# Altium PCB DC-DC_Conv.PcbDoc (part 2 of 3)
Units mm, origin at the board's own origin, x right, y up, seen from the top; angles counter-clockwise.
Board outline 250.1 x 400.1 mm, 4 copper layers (Top Layer 1, Top Layer, Bottom Layer, Bottom Layer 1), stack 0.603 mm thick; 353 components, 158 nets, 950 pads, 1314 vias.
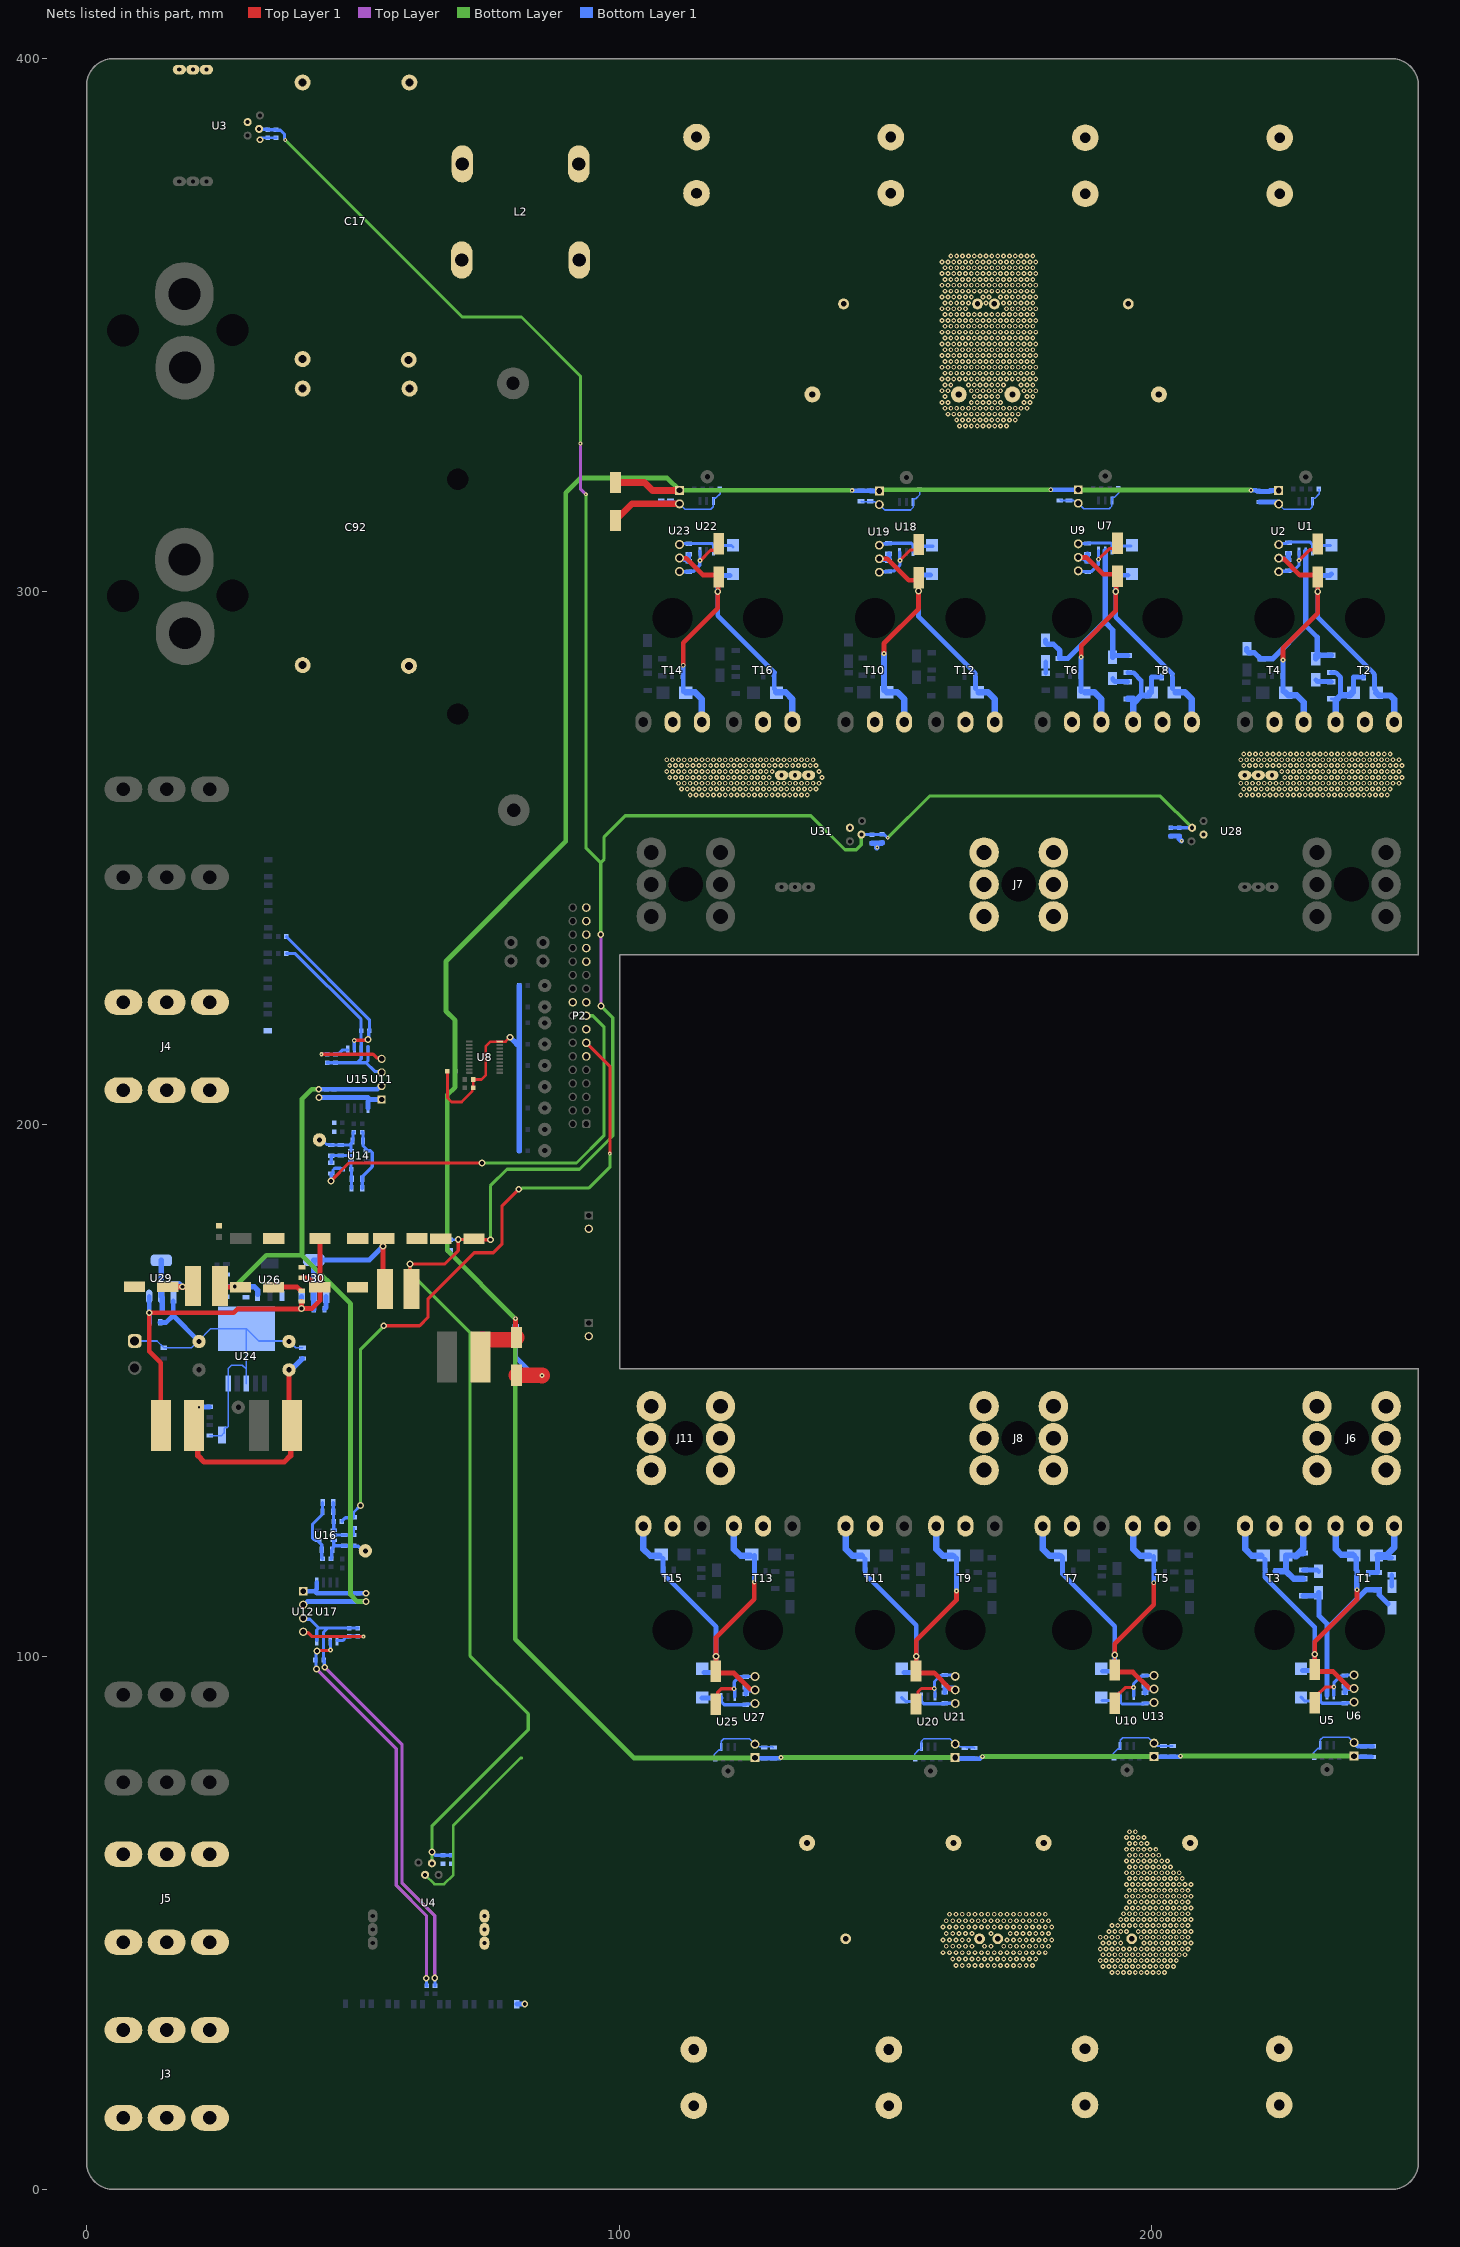
[diagram p4: the nets of this part, all layers, seen from the top]

## Via types
v1: diameter 0.9, hole 0.4, Top Layer 1 to Bottom Layer 1, 1203 vias
v2: diameter 1.27, hole 0.711, Top Layer 1 to Bottom Layer 1, tented both sides, 45 vias
v3: diameter 0.9, hole 0.4, Top Layer 1 to Bottom Layer 1, tented both sides, 41 vias
v4: diameter 0.7, hole 0.3, Top Layer 1 to Bottom Layer 1, tented both sides, 23 vias
v5: diameter 0.8, hole 0.3, Top Layer 1 to Bottom Layer 1, tented both sides, 2 vias

## Nets (pads, with @x,y where several pads share a name; then routed paths per layer and width w, separated by ;. In a path a pad name is that pad's centre, name@x,y a point inside that pad or via, vN(x,y) a via of type N, cw(c..) or ccw(c..) an arc to the next point about the centre after c; other vN are vias at no path point) (continued)
+5: C88.2 U26.3 | length 3.3
  Bottom Layer 1 w1: C88.2@29.9,169.475 31.45,169.475 32.075,168.85 U26.3@32.075,168.022
+5V: C33.2 C36.2 C38.2 C39.2 C98.2 C100.1 L7.2 U11.2 U12.2 | length 148
  Top Layer 1 w0.9: L7.2@24.979,169.549 25.153,169.375 27.7,169.375 v2(27.8,169.475)
  Bottom Layer w0.9: v2(27.8,169.475) 33.7,175.375 40.4,175.375 ; v2(43.56,206.551) 42.276,206.551 40.4,204.675 40.4,175.375 ; v2(52.44,110.332) 50.793,110.332 49.525,111.6 49.525,166.25 40.4,175.375
  Bottom Layer 1 w0.9: C98.2@26.2,169.55 27.725,169.55 v2(27.8,169.475) ; U12.2@40.64,109.727 40.815,109.727 41.42,110.332 C36.2@49.568,110.332 C39.2@50.965,110.332 52.415,110.332 52.44,110.307 v2(52.44,110.332) ; v2(43.56,206.551) 43.56,206.576 43.585,206.551 C38.2@45.035,206.551 C33.2@46.432,206.551 54.579,206.551 55.184,207.156 U11.2@55.36,207.156
+5V_1: C95.2 C96.2 C104.1 C105.2 C111.2 C112.2 C118.2 C119.2 C120.2 C121.2 L8.2 U3.4 U4.4 U28.4 U31.4 | length 552.7
  Top Layer 1 w0.6: L8.2@60.975,169 60.675,169.3 v2(60.675,173.725) 67.25,173.725 69.75,176.225 v2(69.75,178.3) 72.523,178.3 C104.1@72.698,178.475 72.901,178.272 v2(75.785,178.272) ; U4.4@64.81,61.181 U4.4@64.987,61.358
  Top Layer w0.6: v4(92.7,327.8) 92.7,319.3 v4(93.725,318.275) ; v2(96.5,235.6) 96.538,235.563 96.538,222.188 v2(96.575,222.15)
  Bottom Layer w0.6: v4(37.25,384.775) 70.475,351.55 81.625,351.55 92.7,340.475 v4(92.7,327.8) ; v2(60.675,173.725) 60.675,172.175 71.95,160.9 71.95,100.175 82.9,89.225 82.9,86.25 64.8,68.15 v2(64.8,63.3) ; U4.4@64.81,61.181 v2@64.81,63.3 ; v2(75.785,178.272) 75.785,188.385 78.9,191.5 92.525,191.5 98.775,197.75 98.775,219.95 v2(96.575,222.15) ; v4(93.725,318.275) 93.725,251.875 96.5,249.1 ; v2(96.5,235.6) 96.5,249.1 ; U31.4@145.446,254.365 145.446,252.421 144.525,251.5 142.375,251.5 135.975,257.9 101.125,257.9 97.15,253.925 97.15,249.75 96.5,249.1 ; v4(150.413,253.738) 158.25,261.575 201.614,261.575 U28.4@207.554,255.635
  Bottom Layer 1 w0.5: C105.2@68.125,178.275 68.137,178.287 69.738,178.287 v2(69.75,178.3)
  Bottom Layer 1 w0.6: U3.4@32.371,386.865 32.441,386.795 33.93,386.795 C96.2@34,386.725 C95.2@35.525,386.725 35.624,386.626 36.374,386.626 37.122,385.878 37.122,384.903 v4(37.25,384.775) ; v2(64.8,63.3) 65.425,62.675 C111.2@66.9,62.675 C112.2@68.45,62.675 ; U31.4@145.446,254.365 149.785,254.365 v4(150.413,253.738) ; C121.2@203.55,255.625 C120.2@205.15,255.625 207.544,255.625 U28.4@207.554,255.635
+8VDC: C80.2 C97.1 C102.2 C103.1 C108.2 L5.2 U29.3 U30.3 | length 79.5
  Top Layer 1 w0.9: L5.2@13.893,143.387 13.893,155.144 11.725,157.312 v2(11.725,164.55) 27.575,164.55 28.315,165.29 v2@40.24,165.29 ; v2(40.325,165.375) 42.325,165.375 43.775,166.825 43.775,169.325 C103.1@43.75,169.35 ; v2@40.338,165.388 40.338,166.662 C108.2@40.35,166.675 ; C102.2@40.425,171.125 41.575,171.125 42.2,170.5 42.2,169.9 42.75,169.35 C103.1@43.75,169.35 ; C97.1@43.8,178.5 43.8,169.4 C103.1@43.75,169.35
  Bottom Layer 1 w0.9: U29.3@11.71,167.605 11.71,164.565 v2(11.725,164.55) 11.775,164.5 C80.2@11.775,162.75 ; v2(40.325,165.375) 40.338,165.388 40.338,167.663 U30.3@40.35,167.675
+12: C4.2 C12.1 C21.2 C23.2 C27.2 C29.1 C43.2 C47.1 C61.2 C63.1 C67.2 C69.1 C73.2 C76.1 C84.2 C87.1 C109.1 C110.2 C117.1 L1.2 U2.1 U6.1 U9.1 U13.1 U19.1 U21.1 U23.1 U27.1 | length 566.5
  Top Layer 1 w0.9: v3(80.5,163.45) 80.5,160.125 C109.1@80.7,159.925 C109.1@80.675,159.9
  Top Layer 1 w1.3: C117.1@99.275,320.45 104.738,320.45 106.195,318.993 U23.1@111.308,318.993
  Top Layer 1 w2.9: L1.2@74.275,159.5 C109.1@80.275,159.5
  Top Layer 1 w3: L1.2@73.9,159.125 L1.2@74.275,159.5 ; C109.1@80.275,159.5 C109.1@80.675,159.9
  Bottom Layer w0.9: v3@80.45,163.45 80.45,103.274 102.749,80.975 125.438,80.975 U27.1@125.476,81.013 ; v3(80.5,163.45) 67.675,176.275 67.675,205.475 69.15,206.95 69.15,219.5 67.45,221.2 67.45,230.575 89.95,253.075 89.95,318.55 92.7,321.3 109.001,321.3 U23.1@111.308,318.993 111.315,319 v3(143.725,319) ; v3(130.35,81.025) 130.35,81.05 130.358,81.042 U21.1@163.068,81.042 ; U19.1@148.829,318.859 149.07,319.1 v3(181.025,319.1) ; v3(168.2,81.2) 168.207,81.207 U13.1@200.399,81.207 ; U9.1@186.172,319.111 186.215,319.068 218.582,319.068 v3(218.625,319.025) ; v3(205.4,81.3) 205.407,81.307 U6.1@237.973,81.307
  Bottom Layer 1 w0.9: v3(80.5,163.45) 80.525,163.425 C110.2@80.525,162.05 ; C76.1@107.879,319.104 108.006,318.977 111.292,318.977 U23.1@111.308,318.993 ; U27.1@125.476,81.013 125.564,80.925 C84.2@127.225,80.925 C87.1@128.95,80.925 130.15,80.925 130.25,81.025 v3(130.35,81.025) ; v3(143.725,319) 143.675,318.95 143.7,318.925 C63.1@145.375,318.925 147.075,318.925 C61.2@147.1,318.95 147.191,318.859 U19.1@148.829,318.859 ; U21.1@163.068,81.042 163.26,80.85 C69.1@164.875,80.85 166.575,80.85 C67.2@166.6,80.825 167.725,80.825 168.1,81.2 v3(168.2,81.2) ; v3(181.025,319.1) 186.161,319.1 U9.1@186.172,319.111 ; U13.1@200.399,81.207 200.406,81.2 C47.1@202.175,81.2 C43.2@203.925,81.2 205.2,81.2 205.3,81.3 v3(205.4,81.3) ; v3(218.625,319.025) 219.566,319.025 219.741,318.85 220.2,318.85 C12.1@220.25,318.8 C4.2@222.025,318.8 222.194,318.969 U2.1@223.814,318.969 ; U6.1@237.973,81.307 238.105,81.175 C21.2@239.75,81.175 C23.2@241.3,81.175
GND: C4.1 C12.2 C21.1 C23.1 C27.1 C29.2 C33.1 C36.1 C38.1 C39.1 C40.1 C41.1 C43.1 C44.1 C45.1 C47.2 C52.1 C53.1 C56.1 C57.1 C61.1 C63.2 C67.1 C69.2 C73.1 C74.2 C76.2 C77.1 C79.1 C80.1 C81.2 C84.1 C86.1 C87.2 C88.1 C89.2 C93.1 C94.1 C95.1 C96.1 C97.2 C98.1 C99.2 C100.2 C101.1 C102.1 C103.2 C104.2 C105.1 C106.2 C107.1 C108.1 C109.2 C110.1 C111.1 C112.1 C117.2 C118.1 C119.1 C120.1 C121.1 D15.2 D34.2 J10.2 J13.2 P1.1 P2.11 P2.15 P2.19 P2.20 P2.25 P2.27 P2.29 P2.31 P2.33 R14.1 R15.1 R16.1 R17.1 R18.1 R19.1 R20.1 R21.1 R22.1 R23.1 R24.1 R25.1 R26.1 R27.1 R28.1 R29.1 R30.1 R31.1 R52.1 R53.1 R77.1 U1.3 U2.2 U3.3 U4.3 U5.3 U6.2 U7.3 U8.10 U9.2 U10.3 U11.1 U12.1 U13.2 U14.2 U15.5 U16.2 U17.5 U18.3 U19.2 U20.3 U21.2 U22.3 U23.2 U24.3 U24.5 U24.6 U25.3 U26.1 U27.2 U28.3 U29.1 U30.1 U31.3 | length 373.7
  Top Layer 1 w0.5: R22.1@67.725,209.925 67.725,204.925 68.5,204.15 70.4,204.15 72.375,206.125 72.375,206.625 C93.1@72.55,206.8 C94.1@72.55,208.35 74.1,208.35 74.9,209.15 74.9,214.55 75.825,215.475 U8.10@77.55,215.475 78.625,215.475 v2(79.45,216.3)
  Top Layer 1 w0.9: C100.2@35.073,169.375 39.525,169.375 40.225,168.675 C108.1@40.35,168.675
  Top Layer 1 w1.2: C117.2@99.275,313.35 102.378,316.453 U23.2@111.308,316.453
  Top Layer 1 w3: C109.2@80.7,152.825 85.475,152.825 v3(85.5,152.8)
  Bottom Layer w0.5: U4.3@63.54,59.022 65.287,57.275 67.1,57.275 68.825,59 68.825,68.325 81.45,80.95 81.7,80.95
  Bottom Layer 1 w0.3: P1.1@8.994,159.262 P1.1@9,159.262 13.192,159.262 C77.1@14.478,157.976 19.669,157.976 20.971,159.278 23.251,161.558 U24.6@29.972,161.558 ; R77.1@23.114,141.498 23.13,141.482 23.495,141.482 23.511,141.498 25.289,141.498 D15.2@25.4,141.609 25.838,142.047 25.838,142.841 26.01,143.013 26.392,143.013 26.568,143.189 U24.5@26.568,151.253 26.568,154.08 27.178,154.69 29.21,154.69 29.972,153.928 ; U24.3@29.972,151.253 29.972,153.928 ; C79.1@40.513,157.976 39.259,157.976 37.973,159.262 32.268,159.262 U24.6@29.972,161.558 ; C76.2@107.879,317.104 108.006,316.977 110.445,316.977 110.969,316.453 U23.2@111.308,316.453 112.324,315.437 117.15,315.437 117.638,315.925 U22.3@117.638,316.941 ; U22.3@117.658,316.961 117.658,317.44 117.775,317.557 118.127,317.557 118.928,318.358 118.928,319.133 R15.1@118.814,319.247 ; R14.1@117.97,80.759 117.856,80.873 117.856,81.648 118.657,82.449 119.009,82.449 119.126,82.566 U25.3@119.126,83.045 ; U25.3@119.146,83.065 119.146,84.081 119.634,84.569 124.46,84.569 U27.2@125.476,83.553 125.815,83.553 126.339,83.029 128.778,83.029 C87.2@128.905,82.902 ; C63.2@145.4,316.97 145.527,316.843 147.966,316.843 148.49,316.319 U19.2@148.829,316.319 149.845,315.303 154.671,315.303 155.159,315.791 U18.3@155.159,316.807 ; U18.3@155.179,316.827 155.179,317.306 155.296,317.423 155.648,317.423 156.449,318.224 156.449,318.999 R17.1@156.335,319.113 ; R16.1@155.562,80.788 155.448,80.902 155.448,81.677 156.249,82.478 156.601,82.478 156.718,82.595 U20.3@156.718,83.074 ; U20.3@156.738,83.094 156.738,84.11 157.226,84.598 162.052,84.598 U21.2@163.068,83.582 163.407,83.582 163.931,83.058 166.37,83.058 C67.1@166.497,82.931 ; C69.2@165.172,82.931 C67.1@166.497,82.931 ; C67.1@166.751,82.804 166.624,82.931 C67.1@166.497,82.931 ; C29.2@182.743,317.222 182.87,317.095 185.309,317.095 185.833,316.571 U9.2@186.172,316.571 187.188,315.555 192.014,315.555 192.502,316.043 U7.3@192.502,317.059 ; U7.3@192.522,317.079 192.522,317.558 192.639,317.675 192.991,317.675 193.792,318.476 193.792,319.251 R19.1@193.678,319.365 ; R18.1@192.893,80.953 192.779,81.067 192.779,81.842 193.58,82.643 193.932,82.643 194.049,82.76 U10.3@194.049,83.239 ; U10.3@194.069,83.259 194.069,84.275 194.557,84.763 199.383,84.763 U13.2@200.399,83.747 200.946,83.2 C43.1@203.925,83.2 ; U2.2@223.814,316.429 224.83,315.413 229.656,315.413 230.144,315.901 U1.3@230.144,316.917 ; U1.3@230.164,316.937 230.164,317.416 230.281,317.533 230.633,317.533 231.434,318.334 231.434,319.109 R21.1@231.32,319.223 ; R20.1@230.467,81.053 230.353,81.167 230.353,81.942 231.154,82.743 231.506,82.743 231.623,82.86 U5.3@231.623,83.339 ; U5.3@231.643,83.359 231.643,84.375 232.131,84.863 236.957,84.863 U6.2@237.973,83.847 ; 29.972,153.928 U24.6@29.972,161.558
  Bottom Layer 1 w0.5: v2(32.55,384.825) 32.9,385.175 C96.1@34,385.175 C95.1@35.525,385.175
  Bottom Layer 1 w0.6: C56.1@45.9,194.05 45.905,194.045 45.905,192.731 C52.1@45.91,192.726 ; C56.1@45.96,194.05 45.973,194.063 47.672,194.063 R52.1@47.685,194.076 U14.2@49.61,194.076 ; U16.2@46.39,122.807 R53.1@48.314,122.807 C57.1@50.039,122.807 50.039,124.107 C53.1@50.09,124.157
  Bottom Layer 1 w0.9: C80.1@13.775,162.75 14.901,162.75 16.2,164.049 ; U29.1@16.246,166.775 16.246,164.846 C101.1@16.2,164.8 16.2,164.049 ; C74.2@21.082,159.167 20.971,159.278 16.2,164.049 ; U12.1@40.64,112.267 42.83,112.267 ; U17.5@43.195,113.908 43.195,112.632 42.83,112.267 ; v2(43.585,205.001) C38.1@45.035,205.001 C33.1@46.432,205.001 52.785,205.001 53.17,204.616 ; C107.1@44.625,165.225 44.93,165.53 U30.1@44.93,167.675 ; v2(52.415,111.882) C39.1@50.965,111.882 C36.1@49.568,111.882 43.215,111.882 42.83,112.267 ; U15.5@52.805,202.975 52.805,204.251 53.17,204.616 ; U11.1@55.36,204.616 53.17,204.616 ; C110.1@80.525,160.05 80.525,156.2 83.925,152.8 v3(85.5,152.8) ; U6.2@237.973,83.847 238.67,83.15 C23.1@241.475,83.15
  Bottom Layer 1 w1: v2(79.45,216.3) 80.75,215 R27.1@81.225,215 ; R23.1@81.225,195 R31.1@81.225,199 R30.1@81.225,203 R29.1@81.225,207 R28.1@81.225,211 R27.1@81.225,215 ; R24.1@81.225,226 R25.1@81.225,222 R26.1@81.225,219 R27.1@81.225,215 ; C118.1@147.45,252.75 148.362,252.75 ; v4@148.362,251.887 148.362,252.75 ; C119.1@149.35,252.825 149.275,252.75 148.362,252.75 ; C121.1@203.55,254.075 C120.1@205.15,254.075 205.15,253.575 v4@205.558,253.167 ; U28.3@209.613,254.265 U28.3@209.713,254.365 ; C12.2@220.25,316.8 223.443,316.8 U2.2@223.814,316.429
  other v4: 148.425,251.925 205.613,253.168
NetC1_1: C1.1 C3.1 C7.2 C8.2 C16.1 C19.2 C42.1 C46.2 C49.1 C51.2 C113.1 C114.2 D12.1 D14.1 J3.1 J8.1 R68.2 R72.2 T5.3 T7.3 T9.2 T11.2 U13.6 | length 78.9
  Top Layer 1 w0.5: C46.2@193.025,97.816 v2(193.025,100.275)
  Top Layer 1 w0.9: C46.2@193.025,97.534 C46.2@193.025,97.816 ; v2(193.025,100.275) 193.025,102.425 200.35,109.75 v3(200.35,113.85) ; C46.2@193.583,97.083 196.456,97.083 199.484,94.055 U13.6@200.251,94.055
  Bottom Layer 1 w0.9: D12.1@182.85,119 183.225,118.625 R68.2@183.225,116.075 183.225,115.475 193.025,105.675 v2(193.025,100.275) ; C49.1@190.729,97.224 192.424,97.224 193.021,97.821 v2@193.021,100.271 ; C51.2@198.7,93.175 C42.1@198.7,94.425 199.218,93.907 U13.6@200.399,93.907 ; v3(200.35,113.85) 200.358,113.858 D14.1@200.358,118.817
  Bottom Layer 1 w1.2: T7.3@179.515,124.39 179.515,120.185 180.777,118.923 D12.1@182.552,118.923 ; T5.3@196.515,124.39 196.515,120.185 197.777,118.923 D14.1@199.552,118.923
  other v1: 163.2,42 164.4,42 165.6,42 166.8,42 168,42 169.2,42 170.4,42 171.6,42 172.8,42 174,42 175.2,42 176.4,42 177.6,42 162.6,43.2 163.8,43.2 165,43.2 166.2,43.2 167.4,43.2 168.6,43.2 169.8,43.2 171,43.2 172.2,43.2 173.4,43.2 174.6,43.2 175.8,43.2 177,43.2 178.2,43.2 160.8,44.4 162,44.4 163.2,44.4 164.4,44.4 165.6,44.4 166.8,44.4 168,44.4 169.2,44.4 170.4,44.4 171.6,44.4 172.8,44.4 174,44.4 175.2,44.4 176.4,44.4 177.6,44.4 178.8,44.4 180,44.4 161.4,45.6 162.6,45.6 163.8,45.6 165,45.6 166.2,45.6 168.6,45.6 169.8,45.6 172.2,45.6 173.4,45.6 174.6,45.6 175.8,45.6 177,45.6 178.2,45.6 179.4,45.6 180.6,45.6 160.8,46.8 162,46.8 163.2,46.8 164.4,46.8 165.6,46.8 172.8,46.8 174,46.8 175.2,46.8 176.4,46.8 177.6,46.8 178.8,46.8 180,46.8 181.2,46.8 161.4,48 162.6,48 163.8,48 165,48 166.2,48 169.8,48 173.4,48 174.6,48 175.8,48 177,48 178.2,48 179.4,48 180.6,48 160.8,49.2 162,49.2 163.2,49.2 164.4,49.2 165.6,49.2 166.8,49.2 168,49.2 169.2,49.2 170.4,49.2 171.6,49.2 172.8,49.2 174,49.2 175.2,49.2 176.4,49.2 177.6,49.2 178.8,49.2 180,49.2 181.2,49.2 161.4,50.4 162.6,50.4 163.8,50.4 165,50.4 166.2,50.4 167.4,50.4 168.6,50.4 169.8,50.4 171,50.4 172.2,50.4 173.4,50.4 174.6,50.4 175.8,50.4 177,50.4 178.2,50.4 179.4,50.4 180.6,50.4 162,51.6 163.2,51.6 164.4,51.6 165.6,51.6 166.8,51.6 168,51.6 169.2,51.6 170.4,51.6 171.6,51.6 172.8,51.6 174,51.6 175.2,51.6 176.4,51.6 177.6,51.6 178.8,51.6 180,51.6
NetC1_2: C1.2 C3.2 C19.1 C83.1 C85.2 C90.1 C91.2 C114.1 D31.1 D33.1 J5.1 R63.1 R101.2 R105.2 T13.3 T15.3 U27.6 | length 80.4
  Top Layer 1 w0.9: C85.2@118.11,97.269 118.175,97.334 v2(118.175,100.075) 118.175,103.6 125.35,110.775 v3(125.35,114.025) ; C85.2@118.66,96.889 121.533,96.889 124.561,93.861 U27.6@125.328,93.861
  Bottom Layer 1 w0.9: R63.1@80.725,34.75 v2(82.225,34.75) ; R101.2@108.175,116.3 D31.1@108.175,118.475 ; R101.2@108.225,116.25 108.225,115.55 118.175,105.6 v2(118.175,100.075) ; C90.1@115.879,97.024 117.574,97.024 118.171,97.621 v2@118.171,100.071 ; C91.2@123.725,92.975 C83.1@123.725,94.225 124.237,93.713 U27.6@125.476,93.713 ; v3(125.35,114.025) 125.358,114.033 D33.1@125.358,118.992
  Bottom Layer 1 w1.2: T15.3@104.515,124.39 104.515,120.185 105.777,118.923 D31.1@107.552,118.923 ; T13.3@121.515,124.39 121.515,120.185 122.777,118.923 D33.1@124.552,118.923
NetC2_1: C2.1 C9.2 C13.1 C14.2 D2.1 D19.1 R4.2 R84.2 T2.3 T4.3 T6.2 T8.2 U2.6 U28.8 U28.9 U28.10 | length 80.8
  Top Layer 1 w0.9: U2.6@223.814,306.269 223.962,306.121 224.729,306.121 227.757,303.093 230.63,303.093 C9.2@231.075,302.648 ; v3(224.6,287.15) 224.6,289.35 231.15,295.9 v2(231.15,299.975) 231.165,299.99 231.165,302.698 C9.2@231.18,302.713
  Bottom Layer 1 w0.9: U2.6@223.814,306.269 223.962,306.121 225.279,306.121 225.45,305.95 225.575,305.95 C2.1@225.625,305.9 225.65,305.925 225.65,306.269 C14.2@225.65,307.175 ; R84.2@224.6,284.217 224.642,284.175 D19.1@224.642,281.183 ; R84.2@224.6,284.35 v3(224.6,287.15) ; v2@231.146,299.971 231.146,295.154 241.775,284.525 R4.2@241.775,283.925 241.825,283.875 241.825,281.7 242.15,281.375 D2.1@242.15,281 ; v2(231.15,299.975) 231.15,302.425 231.747,303.022 233.442,303.022 C13.1@233.72,303.3
  Bottom Layer 1 w1.2: D19.1@225.15,281 225.66,280.49 227.185,280.49 228.5,279.175 T4.3@228.5,275.5 ; D2.1@242.15,281 242.675,280.475 244.782,280.475 245.485,279.772 T2.3@245.485,275.61
  other v1: 216.7,261.8 217.8,261.8 218.9,261.8 220,261.8 221.1,261.8 222.2,261.8 223.3,261.8 224.4,261.8 225.5,261.8 226.6,261.8 227.7,261.8 228.8,261.8 229.9,261.8 231,261.8 232.1,261.8 233.2,261.8 234.3,261.8 235.4,261.8 236.5,261.8 237.6,261.8 238.7,261.8 239.8,261.8 240.9,261.8 242,261.8 243.1,261.8 244.2,261.8 217.25,262.9 218.35,262.9 219.45,262.9 220.55,262.9 221.65,262.9 222.75,262.9 223.85,262.9 224.95,262.9 226.05,262.9 227.15,262.9 228.25,262.9 229.35,262.9 230.45,262.9 231.55,262.9 232.65,262.9 233.75,262.9 234.85,262.9 235.95,262.9 237.05,262.9 238.15,262.9 239.25,262.9 240.35,262.9 241.45,262.9 242.55,262.9 243.65,262.9 244.75,262.9 216.7,264 217.8,264 218.9,264 220,264 221.1,264 222.2,264 223.3,264 224.4,264 225.5,264 226.6,264 227.7,264 228.8,264 229.9,264 231,264 232.1,264 233.2,264 234.3,264 235.4,264 236.5,264 237.6,264 238.7,264 239.8,264 240.9,264 242,264 243.1,264 244.2,264 245.3,264 246.4,264 224.95,265.1 226.05,265.1 227.15,265.1 228.25,265.1 229.35,265.1 230.45,265.1 231.55,265.1 232.65,265.1 233.75,265.1 234.85,265.1 235.95,265.1 237.05,265.1 238.15,265.1 239.25,265.1 240.35,265.1 241.45,265.1 242.55,265.1 243.65,265.1 244.75,265.1 245.85,265.1 246.95,265.1 224.4,266.2 225.5,266.2 226.6,266.2 227.7,266.2 228.8,266.2 229.9,266.2 231,266.2 232.1,266.2 233.2,266.2 234.3,266.2 235.4,266.2 236.5,266.2 237.6,266.2 238.7,266.2 239.8,266.2 240.9,266.2 242,266.2 243.1,266.2 244.2,266.2 245.3,266.2 246.4,266.2 217.25,267.3 218.35,267.3 219.45,267.3 220.55,267.3 221.65,267.3 222.75,267.3 223.85,267.3 224.95,267.3 226.05,267.3 227.15,267.3 228.25,267.3 229.35,267.3 230.45,267.3 231.55,267.3 232.65,267.3 233.75,267.3 234.85,267.3 235.95,267.3 237.05,267.3 238.15,267.3 239.25,267.3 240.35,267.3 241.45,267.3 242.55,267.3 243.65,267.3 244.75,267.3 245.85,267.3 246.95,267.3 216.7,268.4 217.8,268.4 218.9,268.4 220,268.4 221.1,268.4 222.2,268.4 223.3,268.4 224.4,268.4 225.5,268.4 226.6,268.4 227.7,268.4 228.8,268.4 229.9,268.4 231,268.4 232.1,268.4 233.2,268.4 234.3,268.4 235.4,268.4 236.5,268.4 237.6,268.4 238.7,268.4 239.8,268.4 240.9,268.4 242,268.4 243.1,268.4 244.2,268.4 245.3,268.4 246.4,268.4 217.25,269.5 218.35,269.5 219.45,269.5 220.55,269.5 221.65,269.5 222.75,269.5 223.85,269.5 224.95,269.5 226.05,269.5 227.15,269.5 228.25,269.5 229.35,269.5 230.45,269.5 231.55,269.5 232.65,269.5 233.75,269.5 234.85,269.5 235.95,269.5 237.05,269.5 238.15,269.5 239.25,269.5 240.35,269.5 241.45,269.5 242.55,269.5 243.65,269.5 244.75,269.5
NetC2_2: C2.2 C9.1 U1.6 U2.7 | length 12
  Top Layer 1 w0.6: v3(227.65,305.85) 229.631,307.831 230.48,307.831 231.18,308.531 C9.1@231.18,308.936
  Bottom Layer 1 w0.6: U2.7@223.814,303.729 223.9,303.815 225.539,303.815 C2.2@225.625,303.9 ; C2.2@225.581,303.9 225.668,303.986 226.661,303.986 227.65,304.975 v3(227.65,305.85) 227.637,305.863 227.637,307.526 U1.6@227.624,307.539
NetC5_1: C5.1 C10.1 C15.2 C115.2 L2.4 T2.2 T4.2
NetC5_2: C5.2 C6.1 C10.2 C11.1 C15.1 C18.2 C26.1 C28.2 C30.1 C31.2 C115.1 C116.2 D8.1 D10.1 J7.1 R35.2 R65.2 T6.3 T8.3 T10.2 T12.2 U9.6 | length 78.3
  Top Layer 1 w0.9: U9.6@186.172,306.411 187.664,306.411 190.84,303.235 C28.2@192.988,303.235 ; v3(186.725,287.675) 186.725,289.85 193.225,296.35 v2(193.225,300) 193.296,300.071 193.296,302.613 C28.2@193.538,302.855
  Bottom Layer 1 w0.9: U9.6@186.172,306.411 186.32,306.263 187.237,306.263 187.775,305.725 187.9,305.725 C26.1@187.95,305.675 ; D10.1@186.717,281.208 186.717,287.667 v3(186.725,287.675) ; 187.925,306.1 C31.2@187.925,307.025 ; v2@193.229,300.004 193.229,302.454 193.826,303.051 C30.1@195.521,303.051 ; v2@193.296,300.071 193.221,299.996 193.221,295.179 R35.2@203.85,284.55 ; D8.1@203.9,281.725 R35.2@203.9,283.9
  Bottom Layer 1 w1.2: D10.1@187.448,281.077 189.223,281.077 190.485,279.815 T6.3@190.485,275.61 ; D8.1@204.448,281.077 206.223,281.077 207.485,279.815 T8.3@207.485,275.61
  other v1: 163.9,331.1 165,331.1 166.1,331.1 167.2,331.1 168.3,331.1 169.4,331.1 170.5,331.1 171.6,331.1 172.7,331.1 163.35,332.2 164.45,332.2 165.55,332.2 166.65,332.2 167.75,332.2 168.85,332.2 169.95,332.2 171.05,332.2 172.15,332.2 173.25,332.2 174.35,332.2 161.7,333.3 162.8,333.3 163.9,333.3 165,333.3 166.1,333.3 167.2,333.3 168.3,333.3 169.4,333.3 170.5,333.3 171.6,333.3 172.7,333.3 173.8,333.3 174.9,333.3 161.15,334.4 162.25,334.4 163.35,334.4 164.45,334.4 165.55,334.4 166.65,334.4 167.75,334.4 168.85,334.4 169.95,334.4 171.05,334.4 172.15,334.4 173.25,334.4 174.35,334.4 175.45,334.4 176.55,334.4 160.6,335.5 161.7,335.5 166.1,335.5 167.2,335.5 168.3,335.5 169.4,335.5 170.5,335.5 171.6,335.5 176,335.5 177.1,335.5 161.15,336.6 166.65,336.6 167.75,336.6 168.85,336.6 169.95,336.6 171.05,336.6 176.55,336.6 177.65,336.6 160.6,337.7 161.7,337.7 166.1,337.7 167.2,337.7 168.3,337.7 169.4,337.7 170.5,337.7 171.6,337.7 176,337.7 177.1,337.7 178.2,337.7 161.15,338.8 162.25,338.8 165.55,338.8 166.65,338.8 167.75,338.8 168.85,338.8 169.95,338.8 171.05,338.8 172.15,338.8 175.45,338.8 176.55,338.8 177.65,338.8 160.6,339.9 161.7,339.9 162.8,339.9 163.9,339.9 165,339.9 166.1,339.9 167.2,339.9 168.3,339.9 169.4,339.9 170.5,339.9 171.6,339.9 172.7,339.9 173.8,339.9 174.9,339.9 176,339.9 177.1,339.9 178.2,339.9 161.15,341 162.25,341 163.35,341 164.45,341 165.55,341 166.65,341 167.75,341 168.85,341 169.95,341 171.05,341 172.15,341 173.25,341 174.35,341 175.45,341 176.55,341 177.65,341 160.6,342.1 161.7,342.1 162.8,342.1 163.9,342.1 165,342.1 166.1,342.1 167.2,342.1 168.3,342.1 169.4,342.1 170.5,342.1 171.6,342.1 172.7,342.1 173.8,342.1 174.9,342.1 176,342.1 177.1,342.1 178.2,342.1 161.15,343.2 162.25,343.2 163.35,343.2 164.45,343.2 165.55,343.2 166.65,343.2 167.75,343.2 168.85,343.2 169.95,343.2 171.05,343.2 172.15,343.2 173.25,343.2 174.35,343.2 175.45,343.2 176.55,343.2 177.65,343.2 160.6,344.3 161.7,344.3 162.8,344.3 163.9,344.3 165,344.3 166.1,344.3 167.2,344.3 168.3,344.3 169.4,344.3 170.5,344.3 171.6,344.3 172.7,344.3 173.8,344.3 174.9,344.3 176,344.3 177.1,344.3 178.2,344.3 161.15,345.4 162.25,345.4 163.35,345.4 164.45,345.4 165.55,345.4 166.65,345.4 167.75,345.4 168.85,345.4 169.95,345.4 171.05,345.4 172.15,345.4 173.25,345.4 174.35,345.4 175.45,345.4 176.55,345.4 177.65,345.4 160.6,346.5 161.7,346.5 162.8,346.5 163.9,346.5 165,346.5 166.1,346.5 167.2,346.5 168.3,346.5 169.4,346.5 170.5,346.5 171.6,346.5 172.7,346.5 173.8,346.5 174.9,346.5 176,346.5 177.1,346.5 178.2,346.5 161.15,347.6 162.25,347.6 163.35,347.6 164.45,347.6 165.55,347.6 166.65,347.6 167.75,347.6 168.85,347.6 169.95,347.6 171.05,347.6 172.15,347.6 173.25,347.6 174.35,347.6 175.45,347.6 176.55,347.6 177.65,347.6 160.6,348.7 161.7,348.7 162.8,348.7 163.9,348.7 165,348.7 166.1,348.7 167.2,348.7 168.3,348.7 169.4,348.7 170.5,348.7 171.6,348.7 172.7,348.7 173.8,348.7 174.9,348.7 176,348.7 177.1,348.7 178.2,348.7 161.15,349.8 162.25,349.8 163.35,349.8 164.45,349.8 165.55,349.8 166.65,349.8 167.75,349.8 168.85,349.8 169.95,349.8 171.05,349.8 172.15,349.8 173.25,349.8 174.35,349.8 175.45,349.8 176.55,349.8 177.65,349.8 160.6,350.9 161.7,350.9 162.8,350.9 163.9,350.9 165,350.9 166.1,350.9 167.2,350.9 168.3,350.9 169.4,350.9 170.5,350.9 171.6,350.9 172.7,350.9 173.8,350.9 174.9,350.9 176,350.9 177.1,350.9 178.2,350.9 161.15,352 162.25,352 163.35,352 164.45,352 165.55,352 166.65,352 167.75,352 168.85,352 169.95,352 171.05,352 172.15,352 173.25,352 174.35,352 175.45,352 176.55,352 177.65,352 160.6,353.1 161.7,353.1 162.8,353.1 163.9,353.1 165,353.1 172.7,353.1 173.8,353.1 174.9,353.1 176,353.1 177.1,353.1 178.2,353.1 161.15,354.2 162.25,354.2 163.35,354.2 164.45,354.2 165.55,354.2 168.85,354.2 172.15,354.2 173.25,354.2 174.35,354.2 175.45,354.2 176.55,354.2 177.65,354.2 160.6,355.3 161.7,355.3 162.8,355.3 163.9,355.3 165,355.3 166.1,355.3 168.3,355.3 169.4,355.3 171.6,355.3 172.7,355.3 173.8,355.3 174.9,355.3 176,355.3 177.1,355.3 178.2,355.3 161.15,356.4 162.25,356.4 163.35,356.4 164.45,356.4 165.55,356.4 166.65,356.4 167.75,356.4 168.85,356.4 169.95,356.4 171.05,356.4 172.15,356.4 173.25,356.4 174.35,356.4 175.45,356.4 176.55,356.4 177.65,356.4 160.6,357.5 161.7,357.5 162.8,357.5 163.9,357.5 165,357.5 166.1,357.5 167.2,357.5 168.3,357.5 169.4,357.5 170.5,357.5 171.6,357.5 172.7,357.5 173.8,357.5 174.9,357.5 176,357.5 177.1,357.5 178.2,357.5 161.15,358.6 162.25,358.6 163.35,358.6 164.45,358.6 165.55,358.6 166.65,358.6 167.75,358.6 168.85,358.6 169.95,358.6 171.05,358.6 172.15,358.6 173.25,358.6 174.35,358.6 175.45,358.6 176.55,358.6 177.65,358.6 160.6,359.7 161.7,359.7 162.8,359.7 163.9,359.7 165,359.7 166.1,359.7 167.2,359.7 168.3,359.7 169.4,359.7 170.5,359.7 171.6,359.7 172.7,359.7 173.8,359.7 174.9,359.7 176,359.7 177.1,359.7 178.2,359.7 161.15,360.8 162.25,360.8 163.35,360.8 164.45,360.8 165.55,360.8 166.65,360.8 167.75,360.8 168.85,360.8 169.95,360.8 171.05,360.8 172.15,360.8 173.25,360.8 174.35,360.8 175.45,360.8 176.55,360.8 177.65,360.8 160.6,361.9 161.7,361.9 162.8,361.9 163.9,361.9 165,361.9 166.1,361.9 167.2,361.9 168.3,361.9 169.4,361.9 170.5,361.9 171.6,361.9 172.7,361.9 173.8,361.9 174.9,361.9 176,361.9 177.1,361.9 178.2,361.9 162.25,363 163.35,363 164.45,363 165.55,363 166.65,363 167.75,363 168.85,363 169.95,363 171.05,363 172.15,363 173.25,363 174.35,363 175.45,363 176.55,363 177.65,363